# Allegro board FRDM-A-S32K356_PCBLayout.brd (continued)
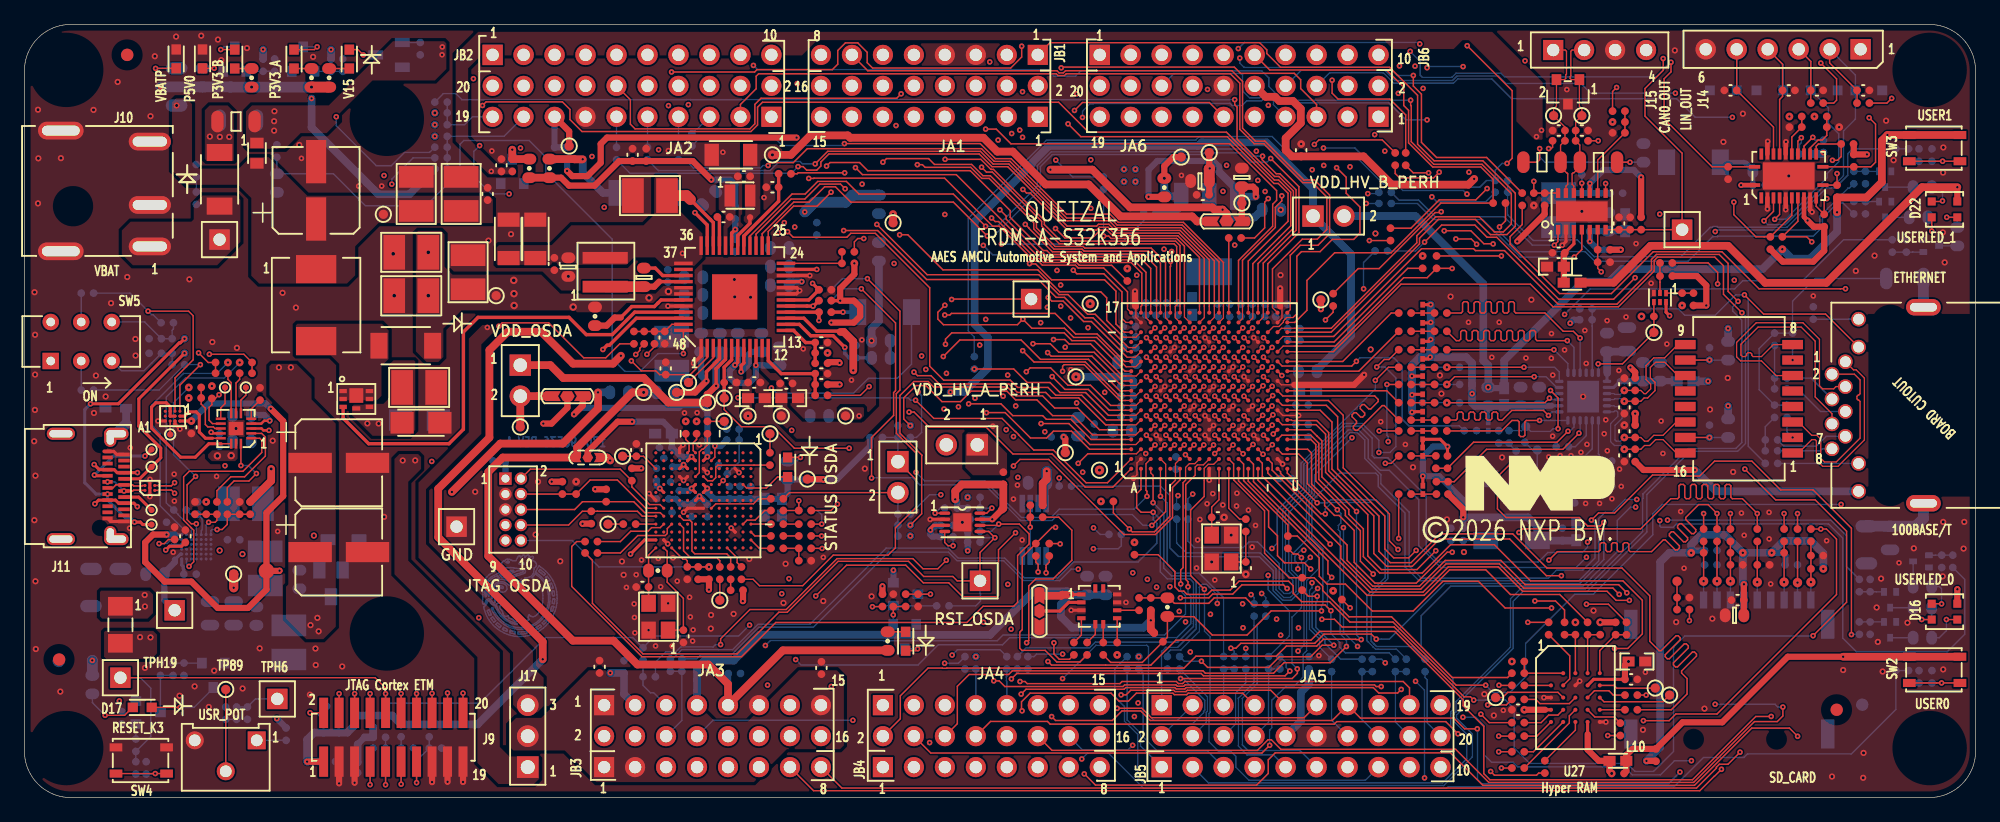
[diagram p0: board, top side]
## Routing (per net, layer and track width the routed paths; a pad name or vN(x,y) marks a point on that pad's centre or on a via; arc(x,y) is an arc through that point) (continued)
PTA26: length 19.9
  TOP w0.118: v1(96.51,11.19) 97.02,10.68 102.04,10.68 102.91,11.56 105.46,11.56 106.41,12.5 v1(107.37,12.5) ; v1(106.01,16.52) 105.28,16.52 R2.1
  BOTTOM w0.118: v1(96.51,11.19) 95.11,11.19 R431.2 ; v1(107.37,12.5) 105.89,13.97 105.89,15.99 106.01,16.1 v1(106.01,16.52)
PTA27: length 29.3
  TOP w0.118: R3.1 104.06,19.98 104.42,19.98 v1(104.71,19.69) ; v1(94.8,9.77) 103.96,9.77 104.38,10.2 104.38,10.55 v1(104.37,10.56)
  BOTTOM w0.118: JA5.2 94.24,6.03 95.75,6.03 96.69,6.97 96.69,7.08 96.78,7.17 96.78,7.99 95,9.77 v1(94.8,9.77) ; v1(104.71,19.69) 104.71,19.27 104.84,19.15 104.84,18.29 104.71,18.16 104.71,15.57 103.94,14.81 103.94,10.99 v1(104.37,10.56)
PTB0: length 66.3
  TOP w0.102: 101.58,40.29 101.58,39.4 U2.P16
  TOP w0.118: v1(101.53,52.61) 101.5,52.58 101.5,52.33 102.65,51.17 102.95,51.17 104.27,49.85 104.27,46.53 101.58,43.84 101.58,40.29 ; U1.28 59.49,46.06 62.94,49.51 64.02,49.51 65.05,50.54 67.4,50.54 68.43,49.51 76.17,49.51 v1(78.81,46.86)
  BOTTOM w0.118: v1(78.81,46.86) 79.76,46.86 83.06,50.16 83.06,51.82 84.2,52.97 96.53,52.97 96.76,53.2 100.09,53.2 100.68,52.61 100.85,52.61 100.85,52.61 101.11,52.61 101.11,52.61 v1(101.53,52.61)
PTB1: length 65
  TOP w0.102: 101.96,40.29 U2.R17
  TOP w0.118: U1.26 60.49,46.25 63.09,48.85 64.36,48.85 65.62,50.1 66.5,50.1 67.76,48.85 76.17,48.85 v1(78.95,46.07) ; v1(102.19,52.42) 104.51,50.11 104.51,46.34 101.96,43.78 101.96,40.29
  BOTTOM w0.118: v1(102.19,52.42) 101.9,52.13 100.58,52.13 99.83,52.89 96.75,52.89 96.62,52.75 84.29,52.75 83.31,51.76 83.31,49.89 79.49,46.07 v1(78.95,46.07)
PTB2: length 111.3
  TOP w0.118: v1(117.55,5.23) 116.55,6.23 107.61,6.23 107.41,6.03 84.11,6.03 83.89,6.25 79.22,6.25 JA4.8
  TOP w0.127: U2.T11 v1(103.11,34.62)
  L3_INT_1 w0.102: 104.13,34.62 v1(103.11,34.62)
  L3_INT_1 w0.127: 104.13,34.62 109.02,34.62 110.35,35.95 111.26,35.95 112.37,34.84 112.37,32.52 121.28,23.61 130.02,23.61 130.53,24.12 131.82,24.12 v1(132.12,23.83)
  BOTTOM w0.118: v1(132.12,23.83) 131.7,23.83 130.61,22.74 130.61,20.16 127.8,17.35 116.96,17.35 114.53,14.91 114.53,12.37 117.13,9.77 117.13,7.2 116.96,7.03 116.96,6.92 116.96,6.91 116.96,5.82 v1(117.55,5.23)
PTB4: length 57.3
  TOP w0.118: v1(108.4,12.4) 107.07,11.07 103.29,11.07 102.43,10.21 96.83,10.21 96.64,10.4 94.54,10.4 94.53,10.4 81,10.4 80.71,10.1 77.47,10.1 76.5,9.13 76.5,6.06 JA4.6 ; v1(107.66,23.61) 105.54,25.73 105.54,28.26 105.22,28.58 U2.U3
  BOTTOM w0.118: v1(107.66,23.61) 107.95,23.32 107.95,22.53 107.74,22.32 107.74,21.98 107.88,21.84 107.88,13.43 108.4,12.91 v1(108.4,12.4)
PTB9: length 13.5
  TOP w0.127: U2.C15 v1(92.71,38.53)
  L3_INT_1 w0.102: 92.35,40.29 92.35,38.88 v1(92.71,38.53)
  L3_INT_1 w0.127: v2(90.16,50.52) 90.16,48.66 92.35,46.47 92.35,40.29
PTB10: length 13.5
  TOP w0.127: U2.D15 v1(93.51,38.53)
  L3_INT_1 w0.102: 93.35,40.29 93.51,40.14 v1(93.51,38.53)
  L3_INT_1 w0.127: 93.35,40.29 92.58,41.07 92.58,46.72 91.1,48.19 v2(91.1,50.52)
PTB11: length 96.4
  TOP w0.102: U2.C17 92.35,40.29
  TOP w0.118: v1(65.77,51.8) 66.06,52.09 68.48,52.09 69.15,51.42 77.56,51.42 80.83,48.15 80.83,47.6 83.55,44.87 83.84,44.87 84.16,44.55 86.54,44.55 86.74,44.36 91.41,44.36 92.35,43.41 92.35,40.29
  L3_INT_1 w0.127: v1(67.94,6.34) 67.94,16.74 69.89,18.69 69.89,29.26 70.52,29.89 70.52,42.54 66.21,46.85 66.21,48.55 65.4,49.35 65.4,51.43 v1(65.77,51.8)
  BOTTOM w0.118: JA3.8 56.46,6.34 v1(67.94,6.34)
PTB12: length 27.6
  TOP w0.102: U2.H17 96.35,40.29
  TOP w0.118: 96.35,40.29 96.35,44.31 94.58,46.08 89.25,46.08 88.78,46.55 88.21,46.55 87.57,45.91 85.32,45.91 v1(84.55,46.68)
  L3_INT_1 w0.127: v1(84.55,46.68) 84.55,47.66 83.1,49.11 JA1.1
PTB13: length 30
  TOP w0.102: U2.H16 96.75,39.37 96.75,40.29
  TOP w0.118: 96.75,40.29 96.75,44.23 94.67,46.3 89.34,46.3 88.86,46.78 88.14,46.78 87.91,46.56 85.5,46.56 82.47,49.59 82.17,49.59 v1(81.88,49.88)
  L3_INT_1 w0.127: v1(81.88,49.88) 82.28,50.29 82.28,54.69 81.13,55.84 JA1.3
PTB14: length 58.2
  TOP w0.102: 97.16,40.29 U2.J17
  TOP w0.118: v1(63.44,51.76) 63.85,51.76 64.14,51.47 64.97,51.47 65.31,51.81 65.31,52.14 65.96,52.79 78.3,52.79 79.34,51.75 80.63,51.75 85.5,46.88 87.92,46.88 88.07,47.03 88.92,47.03 89.43,46.52 94.76,46.52 97.16,44.13 97.16,40.29
  BOTTOM w0.118: R405.1 49.66,51.21 62.9,51.21 v1(63.44,51.76)
PTB15: length 56.6
  TOP w0.102: 97.57,40.29 97.57,39.39 U2.J16
  TOP w0.118: v1(64.84,51.98) 65.87,53.01 78.39,53.01 79.43,51.97 80.73,51.97 85.37,47.32 85.56,47.32 88.94,47.32 89.52,46.74 94.85,46.74 97.57,44.02 97.57,40.29
  BOTTOM w0.118: R406.1 51.98,51.43 61.16,51.43 61.9,52.17 63.61,52.17 63.8,51.98 v1(64.84,51.98)
PTB16: length 53.3
  TOP w0.102: 97.96,40.29 U2.K17
  TOP w0.118: v1(60.99,51.85) 61.22,52.08 63.05,52.08 64.19,53.23 78.48,53.23 79.52,52.19 80.82,52.19 85.47,47.54 89.03,47.54 89.61,46.96 94.94,46.96 97.96,43.95 97.96,40.29
  BOTTOM w0.118: R407.1 54.19,52.32 54.86,51.65 60.38,51.65 60.57,51.85 v1(60.99,51.85)
PTB17: length 53.4
  TOP w0.102: 98.32,40.29 98.32,39.34 U2.K16
  TOP w0.118: 98.32,40.29 98.32,43.9 95.04,47.18 89.7,47.18 89.02,47.86 85.45,47.86 80.91,52.41 79.61,52.41 78.38,53.65 v1(67.24,53.65)
  BOTTOM w0.118: R409.1 55.48,54.2 61.44,54.2 62.15,53.49 67.08,53.49 v1(67.24,53.65)
PTB18: length 59
  TOP w0.118: U2.R1 101.96,26.62 107.94,20.64 107.94,19.63 110.47,17.1 114.5,17.1 116.57,19.17 120.95,19.17 122.93,17.19 130.26,17.19 v1(130.77,16.67) ; R764.1 v1(145.39,23.3)
  L3_INT_1 w0.127: v1(145.39,23.3) 145.42,23.28 145.42,19.71 144.96,19.25 144.96,16.86 143.61,15.51 131.53,15.51 130.89,16.14 130.88,16.14 130.77,16.25 v1(130.77,16.67)
PTB19: length 59.5
  TOP w0.118: R765.1 v1(137.69,23.3) ; v1(131.4,16.8) 130.73,17.47 123.06,17.47 121.07,19.45 116.51,19.45 114.4,17.35 110.56,17.35 108.46,19.45 108.46,20.72 102.31,26.86 102.31,27.42 U2.R2
  L3_INT_1 w0.127: v1(137.69,23.3) 137.69,22.16 137.82,22.03 138.42,22.03 138.55,21.91 138.55,21.65 138.42,21.53 137.82,21.53 137.69,21.4 137.69,21.15 137.82,21.02 138.42,21.02 138.55,20.89 138.55,20.64 138.42,20.51 137.82,20.51 137.69,20.38 137.69,18.85 135.93,17.09 134.84,17.09 134.72,17.22 134.72,18.87 134.59,19 134.33,19 134.21,18.87 134.21,17.22 134.08,17.09 133.83,17.09 133.7,17.22 133.7,18.87 133.57,19 133.32,19 133.19,18.87 133.19,17.22 133.06,17.09 131.69,17.09 v1(131.4,16.8)
PTB20: length 26.2
  TOP w0.118: U2.T1 103,26.73 103,26.59 106.31,23.28 106.66,23.28 v1(106.67,23.27)
  BOTTOM w0.118: R425.2 112.5,12.17 110.97,12.17 110.79,12.17 110.59,12.37 110.59,12.37 110.21,12.74 110.21,12.74 110.08,12.87 110.08,16.54 111.57,18.04 111.57,23.06 110.43,24.21 107.19,24.21 106.67,23.69 v1(106.67,23.27)
PTB21: length 26.3
  TOP w0.118: v1(106,24.18) 103.56,26.62 U2.U1
  BOTTOM w0.118: R424.2 113.82,12.39 110.88,12.39 110.68,12.59 110.43,12.83 110.43,13.17 110.44,13.18 110.44,16.59 111.79,17.95 111.79,23.48 110.84,24.43 107.1,24.43 106.85,24.18 v1(106,24.18)
PTB24: length 19.3
  TOP w0.118: U2.P7 v1(101.54,32.16) ; v1(111.09,30.08) R211.1
  L3_INT_1 w0.102: v1(101.54,32.16) 101.87,32.49 103.5,32.49 103.83,32.16 104.13,32.16
  L3_INT_1 w0.127: v1(111.09,30.08) 110.18,30.99 110.18,31.17 110.68,31.66 110.68,31.84 110.5,32.02 110.32,32.02 109.82,31.53 109.64,31.53 109.34,31.82 109.34,32.1 109.15,32.29 109.15,33.02 109.03,33.15 108.77,33.15 108.65,33.02 108.65,32.29 108.52,32.16 108.27,32.16 108.14,32.29 108.14,33.02 108.01,33.15 107.76,33.15 107.63,33.02 107.63,32.29 107.5,32.16 106.99,32.16 106.86,32.29 106.86,32.86 106.74,32.99 106.48,32.99 106.35,32.86 106.35,32.29 106.23,32.16 104.13,32.16
PTB26: length 57.8
  TOP w0.118: U2.R9 v1(102.32,33.74) ; R767.1 v1(139.89,23.3)
  L3_INT_1 w0.102: 104.13,33.74 v1(102.32,33.74)
  L3_INT_1 w0.127: 104.13,33.74 105.17,33.74 105.35,33.91 110.43,33.91 121.07,23.28 129.82,23.28 129.94,23.15 129.94,20.38 130.07,20.25 130.32,20.25 130.45,20.38 130.45,23.15 130.58,23.28 130.83,23.28 130.96,23.15 130.96,20.38 131.09,20.25 131.34,20.25 131.47,20.38 131.47,23.15 131.59,23.28 132.7,23.28 133.95,24.53 134.62,24.53 134.75,24.4 134.75,23.79 134.88,23.66 135.13,23.66 135.26,23.79 135.26,24.4 135.39,24.53 138.67,24.53 v1(139.89,23.3)
PTB27: length 49.8
  TOP w0.118: U2.P9 v1(101.56,33.78) ; R224.1 111.85,35.3 v1(110.78,34.23)
  L3_INT_1 w0.102: 104.13,34.15 101.93,34.15 101.56,33.78 v1(101.56,33.78)
  L3_INT_1 w0.127: 104.13,34.15 105.05,34.15 105.12,34.23 v1(110.78,34.23) ; v1(102.29,20.44) 102.45,20.28 102.45,15.01 102.26,14.82 102.26,14.74 101.52,14.01 101.52,13.83 102.16,13.18 102.16,12.04 103.15,11.06 v1(111.59,11.06)
  BOTTOM w0.118: R426.2 111.29,11.35 v1(111.59,11.06) ; v1(110.78,34.23) 110.78,33.52 104.68,27.43 104.68,25.46 104.15,24.93 104.09,24.93 102.73,23.57 102.73,20.88 v1(102.29,20.44)
PTB29: length 10.8
  TOP w0.118: U2.U12 108.1,35.78 112.08,39.75 R242.1
PTB30: length 137.9
  TOP w0.102: 104.13,36.58 U2.U13
  TOP w0.118: 104.13,36.58 107.34,36.58 112.88,42.11 123.49,42.11 125.34,40.26 130.7,40.26 133.64,43.19 133.64,44.05 133.92,44.33 138.61,44.33 139.32,43.62 139.32,41.28 v1(140.83,39.77)
  BOTTOM w0.118: v1(140.83,39.77) 141.13,39.48 141.13,29.05 140.49,28.41 136.59,28.41 133.04,24.86 133.04,21.79 128.16,16.91 122.88,16.91 122.07,16.11 122.07,12.25 117.71,7.89 117.71,7.05 117.43,6.76 117.43,6.52 118.73,5.22 118.73,3.34 116.38,0.98 91.95,0.98 91.29,1.65 91.29,5.19 90.2,6.27 90.2,7.47 89.41,8.26 89.41,10.56 R748.2
PTB31: length 125.4
  TOP w0.102: U2.T14 103.21,37.83 104.13,37.83
  TOP w0.118: 104.13,37.83 107.36,37.83 114.56,45.02 118.83,45.02 118.99,44.87 121.37,44.87 125.76,40.48 130.59,40.48 133.42,43.3 133.42,44.15 133.82,44.55 138.97,44.55 139.7,43.82 139.7,41.52 v1(140.52,40.7)
  BOTTOM w0.118: v1(140.52,40.7) 140.07,40.26 140.07,39.91 140.82,39.16 140.82,29.12 140.34,28.64 136.45,28.64 132.71,24.9 132.72,24.89 132.72,24.55 132.69,24.51 132.69,21.82 128,17.13 122.67,17.13 121.85,16.31 121.85,12.34 117.39,7.88 117.39,7.04 117.18,6.82 117.18,6.29 118.27,5.2 118.27,3.19 116.29,1.2 97.09,1.2 JB5.2
PTC0: length 66.9
  TOP w0.118: U2.U7 106.25,31.78 107.22,30.81 107.22,26.95 111.07,23.09 111.07,20.2 112,19.27 113.7,19.27 116.07,21.64 122.04,21.64 124.85,18.83 131,18.83 133.28,16.55 133.28,12.82 134.05,12.06 134.21,12.06 135.44,13.28 135.6,13.28 135.77,13.11 135.77,12.95 134.55,11.72 134.55,11.56 134.71,11.39 134.88,11.39 136.11,12.61 136.27,12.61 136.44,12.44 136.44,12.28 135.22,11.05 135.22,10.89 135.38,10.72 135.55,10.72 136.77,11.94 136.94,11.94 137.11,11.78 137.11,11.61 135.88,10.39 135.88,10.22 136.34,9.77 136.34,8.5 135.04,7.21 R770.1
PTC1: length 38.4
  TOP w0.118: v1(119.98,7.61) 121.52,7.61 R774.1 ; v1(114.12,20.28) 113.51,19.67 112.28,19.67 111.55,20.4 111.55,23.1 107.68,26.97 107.68,31.24 106.75,32.18 103.15,32.18 U2.T8
  L3_INT_1 w0.127: v1(114.12,20.28) 115.27,19.13 115.27,12.16 119.53,7.9 119.69,7.9 v1(119.98,7.61)
PTC2: length 64.5
  TOP w0.118: U2.T4 103.11,29.73 105.48,29.73 106.14,29.07 106.14,26.1 108.6,23.63 108.6,23.24 109.79,22.04 109.79,19.76 111.13,18.43 114.62,18.43 116.94,20.74 120.53,20.74 123.5,17.78 131.08,17.78 132.67,16.19 132.67,13.43 131.47,12.24 v1(130.39,12.24) ; v1(129.83,5.09) R713.1
  L3_INT_1 w0.127: v1(130.39,12.24) 130.39,10.75 130.26,10.62 129.16,10.62 129.03,10.49 129.03,10.24 129.16,10.11 130.26,10.11 130.39,9.99 130.39,9.73 130.26,9.61 129.16,9.61 129.03,9.48 129.03,9.22 129.16,9.1 130.26,9.1 130.39,8.97 130.39,8.72 130.26,8.59 129.16,8.59 129.03,8.46 129.03,8.21 129.16,8.08 130.26,8.08 130.39,7.95 130.39,7.7 130.26,7.57 129.16,7.57 129.03,7.45 129.03,7.19 129.16,7.07 130.26,7.07 130.39,6.94 130.39,5.66 v1(129.83,5.09)
PTC3: length 64.2
  TOP w0.118: U2.T3 103.15,28.18 104.49,28.18 105.2,27.46 105.2,25.74 106.61,24.34 106.61,23.95 107.42,23.15 107.8,23.15 109.04,21.91 109.04,19.3 110.74,17.59 114.13,17.59 116.67,20.13 v1(117.08,20.13) ; R745.2 126.29,15.38 125.55,16.13 v1(123.86,16.13)
  L3_INT_1 w0.127: v1(123.86,16.13) 122.83,15.1 122.12,15.1 121.9,15.31 121.9,15.49 124.5,18.09 124.5,18.27 124.32,18.45 124.14,18.45 121.54,15.85 121.36,15.85 121.18,16.03 121.18,16.21 123.79,18.81 123.79,18.99 123.61,19.17 123.43,19.17 120.82,16.57 120.64,16.57 120.46,16.75 120.46,16.93 123.07,19.53 123.07,19.71 122.89,19.89 122.71,19.89 122.37,19.56 122.19,19.56 121.59,20.16 121.41,20.16 121.23,19.98 121.23,19.8 121.83,19.2 121.83,19.02 121.66,18.84 121.48,18.84 120.87,19.44 120.69,19.44 120.51,19.26 120.51,19.08 121.12,18.48 121.12,18.3 120.94,18.12 120.76,18.12 120.15,18.72 119.97,18.72 119.79,18.54 119.79,18.36 120.4,17.76 120.4,17.58 120.11,17.29 119.93,17.29 v1(117.08,20.13)
PTC6: length 137.6
  TOP w0.118: R518.1 85.7,11.35 84.86,11.35 84.42,11.79 v1(84.42,12.7) ; v1(15.17,36.37) 17.99,36.37 R96.2 R94.2 ; v1(84.93,20.81) 84.9,20.84 R526.2
  TOP w0.127: U2.C12 v1(92,36.13)
  L3_INT_1 w0.127: v1(15.17,36.37) 14.87,36.66 14.87,40.79 22.87,48.79 28.6,48.79 v1(30.13,50.32) 30.42,50.02 34.41,50.02 36.17,51.79 43.68,51.79 44.48,52.59 45.28,52.59 45.39,52.7 46.43,52.7 v1(46.54,52.59) ; v1(83.33,38.96) 83.33,38.54 83.45,38.42 83.45,36.97 82.81,36.32 82.81,34.12 82.94,33.99 82.94,33.98 84.22,32.7 84.22,30.55 84.44,30.33 84.44,28.7 85.71,27.42 85.71,22.24 84.93,21.46 v1(84.93,20.81) 85.23,20.51 85.23,19.92 84.84,19.54 84.84,15.16 85.23,14.78 85.23,13.99 84.42,13.19 84.42,12.7 v1(84.42,12.7)
  L4_INT_2 w0.102: 90.3,37.07 90.81,37.07 91.75,36.13 v1(92,36.13)
  L4_INT_2 w0.127: 90.3,37.07 86.82,37.07 85.38,38.51 83.77,38.51 v1(83.33,38.96) 82.51,38.96 81.74,38.18 81.34,38.18 78.2,41.32 75.41,41.32 73.57,43.16 66.42,43.16 65.69,43.89 64.72,43.89 63.86,43.03 60.83,43.03 55.38,48.48 50.65,48.48 v1(46.54,52.59)
  BOTTOM w0.118: R403.1 31.87,52.47 30.13,50.73 v1(30.13,50.32)
PTC7: length 147.7
  TOP w0.102: U2.B12 91.12,35.34 90.34,35.34 90.3,35.37
  TOP w0.118: 90.3,35.37 87.93,37.75 86.04,37.75 85.28,38.5 82.61,38.5 v1(81.87,39.24) 81.42,38.79 75.36,38.79 74.9,39.25 74.9,39.81 v1(75.48,40.39) ; v1(14.28,36.48) 15.07,35.69 R95.2 R93.2 ; v1(84.55,22.17) 84.27,22.17 R527.2 81.82,19.72 81.82,13.77 81.62,13.57 81.62,12.25 81.79,12.08 83.7,12.08 84.65,11.13 86.56,11.13 R516.1
  L3_INT_1 w0.127: v1(29.49,51.03) v2(33.65,55.19) ; v1(29.49,51.03) 27.6,49.13 22.63,49.13 14.28,40.79 v1(14.28,36.48) ; v1(29.49,51.03) 34.22,51.03 35.74,52.54 43.56,52.54 44.16,53.14 v1(52,53.14) ; v1(75.47,47.83) 75.48,47.83 v1(75.48,40.39) ; v1(84.55,22.17) 85.4,23.02 85.4,27.02 84.21,28.22 84.21,30.24 84,30.45 84,32.6 82.71,33.89 82.71,33.89 82.58,34.03 82.58,36.42 83.12,36.96 83.12,37.99 v1(81.87,39.24)
  L4_INT_2 w0.127: v1(75.47,47.83) 74.81,47.17 70.82,47.17 69.93,46.28 68.65,46.28 67.96,45.59 61.73,45.59 60.18,47.13 57.61,49.71 55.44,49.71 v1(52,53.14)
PTC8: length 53
  TOP w0.118: U1.27 59.99,46.22 62.87,49.1 64,49.1 65.22,50.32 66.92,50.32 v1(67.3,49.94)
  TOP w0.127: U2.N15 v1(100.71,38.53)
  L4_INT_2 w0.102: 99.95,40.29 99.95,40.05 100.71,39.29 v1(100.71,38.53)
  L4_INT_2 w0.127: v1(67.3,49.94) 67.72,49.94 67.96,49.7 69.2,49.7 69.62,50.12 76.34,50.12 77.18,50.95 80.13,50.95 80.24,51.06 87.44,51.06 88.26,51.88 91.53,51.88 99.95,43.47 99.95,40.29
PTC9: length 51.5
  TOP w0.118: U1.25 60.99,46.44 63.07,48.52 65,48.52 v1(66.15,49.66)
  TOP w0.127: U2.N14 v1(100,37.73)
  L4_INT_2 w0.102: 99.72,40.29 99.72,39.73 100.31,39.14 100.31,38.13 100,37.82 v1(100,37.73)
  L4_INT_2 w0.127: 99.72,40.29 99.72,43.09 91.77,51.04 89.46,51.04 89.15,50.72 79.23,50.72 78.35,49.85 69.7,49.85 69.31,49.47 66.34,49.47 v1(66.15,49.66)
PTC10: length 69.5
  TOP w0.102: U2.T17 102.34,40.19 102.34,40.29
  TOP w0.118: 102.34,40.29 102.34,43.36 104.78,45.81 106.01,45.81 106.8,46.59 106.8,49.27 105.62,50.45 104.82,50.45 101.63,53.63 100.85,53.63 99.66,54.81 99.66,58.59 98.88,59.37 85.43,59.37 85.28,59.23 84.75,59.23 84.61,59.37 60.2,59.37 60,59.17 60,58.14 58.71,56.85 JA2.3
PTC11: length 100.8
  TOP w0.102: 104.13,38.5 103.08,38.5 U2.T15
  TOP w0.118: 104.13,38.5 107.16,38.5 114.18,45.51 114.18,46.09 115.73,47.64 119.29,47.64 120.53,46.4 121.27,46.4 121.93,47.06 121.93,49.54 119.52,51.95 115.57,51.95 113.72,53.8 113.72,56.74 113.67,56.79 v1(113.67,57.2)
  L3_INT_1 w0.127: v1(59.78,60.06) 59.78,57.32 JA2.1
  BOTTOM w0.118: v1(59.78,60.06) 60.13,59.71 83.9,59.71 84.43,59.18 86.19,59.18 86.63,59.61 101.46,59.61 102.04,59.03 102.04,58.33 103.16,57.2 v1(113.67,57.2)
PTC12: length 165.4
  TOP w0.118: v1(80.93,9.74) 81.37,10.18 94.62,10.18 94.63,10.18 96.49,10.18 96.68,9.99 103.37,9.99 v1(103.76,10.38) ; v1(116.42,46.5) 118.61,46.5 119.67,45.43 120.42,45.43 v1(120.43,45.42)
  TOP w0.127: U2.P11 v1(101.51,35.33)
  L3_INT_1 w0.102: 104.13,35.93 102.36,35.93 101.76,35.33 v1(101.51,35.33)
  L3_INT_1 w0.127: v1(103.76,10.38) 104.24,9.9 112.73,9.9 113.77,8.86 116.24,8.86 117.96,7.14 v1(117.96,6.59) ; v1(136.69,3.03) 136.7,3.04 138.3,3.04 138.83,3.57 138.83,3.58 139.61,4.36 139.61,10.12 147.98,18.5 147.98,19.4 147.54,19.84 146.99,19.84 146.28,20.54 146.28,23.53 142.3,27.52 142.3,41.58 140.13,43.74 128.3,43.74 127.93,43.37 121.5,43.37 120.43,44.44 v1(120.43,45.42) ; 104.13,35.93 106.9,35.93 116.42,45.45 v1(116.42,46.5) ; v1(80.93,9.74) 79.53,8.34 79.53,6.57 80.56,5.54 JA4.10
  BOTTOM w0.118: v1(103.76,10.38) 103.47,10.67 103.47,11.05 R433.2 ; v1(117.96,6.59) 119.02,6.59 119.7,5.91 119.7,3.5 120.3,2.9 122.06,2.9 122.45,2.52 131.2,2.52 131.85,1.87 134.14,1.87 135.3,3.03 v1(136.69,3.03)
PTC13: length 158.3
  TOP w0.118: JA4.12 84.26,3.88 101.11,3.88 101.97,4.74 102.25,4.74 103.03,3.96 117.36,3.96 120.08,1.25 136.87,1.25 141.86,6.24 143.73,6.24 144.19,6.7 v1(144.19,7.43) ; v1(117.38,45.82) 118.64,45.82 v1(119.08,45.39)
  TOP w0.127: U2.R11 v1(102.31,35.33)
  L3_INT_1 w0.102: 104.13,35.33 v1(102.31,35.33)
  L3_INT_1 w0.127: v1(119.08,45.39) 119.08,45.19 121.15,43.11 128.21,43.11 129.55,41.77 134.4,41.77 135.75,43.11 140.25,43.11 141.96,41.41 141.96,27.48 146.03,23.41 146.03,16.98 139.3,10.25 139.3,8.32 v1(138.64,7.66) ; 104.13,35.33 107.3,35.33 117.38,45.4 v1(117.38,45.82)
  BOTTOM w0.118: v1(138.64,7.66) 143.55,7.66 143.78,7.43 v1(144.19,7.43)
PTC14: length 19.3
  TOP w0.118: U2.T9 103.19,32.94 110.72,32.94 111.01,32.66 111.01,32.49 110.4,31.88 110.23,31.88 109.87,32.24 109.71,32.24 109.54,32.08 109.54,31.91 109.9,31.55 109.9,31.38 109.73,31.21 109.56,31.21 109.2,31.57 109.04,31.57 108.87,31.41 108.87,31.24 109.23,30.88 109.23,30.71 108.97,30.46 108.97,30.29 109.14,30.12 109.31,30.12 111.34,32.15 111.51,32.15 R210.1
PTC15: length 9.5
  TOP w0.118: R190.1 111.71,33.38 U2.U9
PTC16: length 17.8
  TOP w0.118: U2.P6 v1(101.53,31.36) ; R227.1 v1(111.72,33.89)
  L3_INT_1 w0.102: v1(101.53,31.36) 101.92,30.97 104.07,30.97 104.13,30.92
  L3_INT_1 w0.127: v1(111.83,29.2) 110.51,29.2 108.36,31.35 105.22,31.35 104.79,30.92 104.13,30.92
  BOTTOM w0.118: v1(111.72,33.89) 111.72,29.72 111.83,29.62 v1(111.83,29.2)
PTC17: length 65
  TOP w0.118: R773.1 v1(120.89,5.04) ; U2.R6 v1(102.38,31.4)
  L3_INT_1 w0.102: v1(102.38,31.4) 103.81,31.4 104.13,31.71
  L3_INT_1 w0.127: 104.13,31.71 104.22,31.8 108.27,31.8 110.41,29.66 113.21,29.66 120.27,22.59 123.22,22.59 134.5,11.31 134.5,6.5 132.11,4.11 127.47,4.11 127.34,4.23 127.34,4.81 127.22,4.93 126.96,4.93 126.84,4.81 126.84,4.23 126.71,4.11 126.45,4.11 126.33,4.23 126.33,4.81 126.2,4.93 125.95,4.93 125.82,4.81 125.82,4.23 125.69,4.11 124.22,4.11 123.28,5.04 v1(120.89,5.04)
PTC18: length 10.5
  TOP w0.118: U2.U11 109.42,34.98 R241.1
PTC19: length 20.8
  TOP w0.118: v1(109.22,35.78) 108.84,35.4 103.13,35.4 U2.T12
  BOTTOM w0.118: v1(109.22,35.78) 109.52,36.08 112.28,36.08 112.97,35.39 112.97,31.05 113.52,30.49 117.66,30.49 R257.1
PTC20: length 55.4
  TOP w0.102: U2.T13 103.22,37.04 104.13,37.04
  TOP w0.118: v1(117.07,43.4) 117.06,43.41 R75.2 115.03,42.65 113.1,42.65 107.49,37.04 104.13,37.04
  L5_PWR_1 w0.127: v1(117.07,43.4) 116.64,43.4 116.59,43.35 110.49,43.35 107.73,40.58 107.73,33.2 106.49,31.96 106.49,26.81 101.18,21.5 101.18,18.29 100.58,17.69 v1(100.58,16.65)
  BOTTOM w0.118: v1(100.58,16.65) 100.83,16.4 R751.2
PTC21: length 43.4
  TOP w0.127: U2.R13 v1(102.31,36.93)
  L4_INT_2 w0.102: 104.13,38.63 102.42,36.93 v1(102.31,36.93)
  L4_INT_2 w0.127: v1(109.81,41.73) 109.81,41.74 106.38,41.74 104.93,40.3 104.93,39.44 104.13,38.63
  L5_PWR_1 w0.127: v1(101.45,16.74) 101.45,21.42 106.85,26.81 106.85,31.78 108.12,33.05 108.12,40.05 v1(109.81,41.73)
  BOTTOM w0.118: v1(109.81,41.73) 109.81,43.9 R73.2 ; R750.2 101.79,16.41 v1(101.45,16.74)
PTC22: length 73.5
  TOP w0.102: 104.13,38.18 U2.U15
  TOP w0.118: 104.13,38.18 107.15,38.18 114.4,45.42 114.4,45.88 115.94,47.42 118.97,47.42 120.22,46.18 121.56,46.18 122.25,46.87 122.25,49.57 119.59,52.24 115.59,52.24 114.24,53.59 114.24,57.61 111.94,59.9 103,59.9 101.88,61.03 101.88,61.34 101.29,61.92 84.1,61.92 JB1.1
PTC23: length 13.6
  TOP w0.102: 104.13,37.38 U2.U14
  TOP w0.118: R50.2 113.43,43.41 107.39,37.38 104.13,37.38
PTC24: length 121.9
  TOP w0.102: U2.R15 102.42,38.64 102.87,38.64 103.24,39.01 103.24,39.11 103.51,39.38 104.03,39.38 104.13,39.48
  TOP w0.118: v1(107.6,51.67) 108.38,50.89 108.38,49.57 109.51,48.45 109.51,46.3 109,45.79 107.25,45.79 106.24,44.78 104.71,44.78 104.34,44.41 104.34,39.69 104.13,39.48
  L3_INT_1 w0.127: JA3.4 50.52,5.04 51.67,6.2 51.67,9 52.24,9.56 55.93,9.56 60.76,14.4 60.76,31.14 62,32.37 62,35.6 61.99,35.61 61.99,40.74 61.85,40.87 61.85,45.07 63.17,46.38 v1(63.17,46.8) ; v1(98.57,51.86) 98.15,51.86 93.93,47.64 93.93,45.47 v1(93.45,44.98)
  L4_INT_2 w0.127: v1(98.57,51.86) 98.99,51.86 99.04,51.81 104.86,51.81 105.27,52.22 105.67,52.22 106.08,51.81 106.08,51.57 106.19,51.46 106.32,51.33 107.26,51.33 v1(107.6,51.67) ; v1(93.45,44.98) 93.45,45.77 90.42,48.8 79.44,48.8 79.11,48.48 70.32,48.48 68.77,46.93 65.88,46.93 65.75,46.8 v1(63.17,46.8)
PTC25: length 109.5
  TOP w0.127: U2.R14 v1(101.6,37.73)
  L3_INT_1 w0.127: JA3.2 47.58,5.04 48.53,6 48.53,8.77 50,10.24 56.28,10.24 60.47,14.43 60.47,31.38 61.7,32.61 61.7,40.7 61.62,40.78 61.62,45.73 61.82,45.92 v1(61.82,46.34) ; v1(87.44,52.32) 87.45,52.31 v1(87.45,48.33)
  L4_INT_2 w0.102: 101.06,40.29 102.09,39.26 102.09,38.21 v1(101.6,37.73)
  L4_INT_2 w0.127: 101.06,40.29 100.24,41.12 100.24,43.63 98.59,45.27 98.59,45.85 98.92,46.18 98.92,50.3 98.46,50.76 96.78,50.76 95.2,52.34 88.07,52.34 88.05,52.32 v1(87.44,52.32) ; v1(87.45,48.33) 86.81,47.7 79.89,47.7 79.34,48.25 75.3,48.25 74.57,47.52 69.72,47.52 68.72,46.52 68.49,46.52 67.82,45.86 62.4,45.86 61.91,46.34 v1(61.82,46.34)
PTC28: length 87
  TOP w0.102: 101.15,40.29 U2.P17
  TOP w0.118: 101.15,40.29 101.15,43.8 104.05,46.7 104.05,49.76 102.86,50.95 102.51,50.95 99.44,54.02 99.44,56.64 99.24,56.84 v1(99.24,57.25)
  BOTTOM w0.118: R398.1 34.35,57.74 35.38,57.74 35.87,57.25 54.27,57.25 54.27,57.25 54.62,57.25 54.62,57.25 v1(99.24,57.25)
PTC29: length 89.9
  TOP w0.102: 100.73,40.29 100.73,39.35 U2.N16
  TOP w0.118: v1(37.56,56.77) 37.86,57.07 44.12,57.07 44.74,56.45 44.74,55.62 45.72,54.64 59.58,54.64 60.12,55.17 60.12,56.63 60.52,57.04 84.81,57.04 87.26,54.58 98.56,54.58 102.49,50.66 102.84,50.66 103.83,49.67 103.83,46.91 102.87,45.94 100.73,43.8 100.73,40.29
  L3_INT_1 w0.127: v2(33.65,54.24) 35.03,54.24 v1(37.56,56.77)
PTC30: length 103.5
  TOP w0.102: U2.N17 100.35,40.29
  TOP w0.118: 100.35,40.29 100.35,44.01 103.62,47.27 103.62,49.57 102.81,50.38 102.46,50.38 98.62,54.21 86.63,54.21 v1(85.58,55.27) ; v1(64.89,16.54) 67.42,19.06 72.27,19.06 73.72,17.62 75.8,17.62 76.93,16.49 79.76,16.49 79.87,16.6 79.87,20.33 v1(81.27,21.73)
  L3_INT_1 w0.127: v1(81.27,21.73) 81.27,23.61 81.57,23.91 81.57,24.78 82.32,25.53 82.32,29.31 82.16,29.47 82.16,33.14 81.8,33.51 81.8,33.51 81.28,34.03 81.28,41.42 86.07,46.22 86.07,54.77 v1(85.58,55.27) ; v1(64.89,16.54) 64.13,15.78 64.13,12.18 64.29,12.02 64.29,6.56 JA3.14
PTC31: length 235.5
  TOP w0.118: v1(121.58,52.02) 121.99,52.44 121.99,57.99 v1(118.31,61.67)
  TOP w0.127: U2.L14 v1(98.4,37.73)
  L3_INT_1 w0.102: v1(98.4,37.73) 98.4,37.98 98.69,38.27 98.69,38.69 98.68,38.69 98.68,40.29
  L3_INT_1 w0.127: v1(106.52,53.29) 106.01,52.77 106.01,51.79 106.21,51.6 106.21,50.11 98.68,42.58 98.68,40.29 ; v1(118.31,61.67) 118.5,61.87 123.77,61.87 124.75,62.85 151.13,62.85 152.23,61.76 152.23,59.28 153.64,57.87 153.64,56.57 155.64,54.57 155.64,45.94 147.49,37.79 147.49,26.81 151.11,23.19 151.11,5.85 145.87,0.62 92.82,0.62 92.35,1.09 69.26,1.09 JA3.16
  BOTTOM w0.118: v1(106.52,53.29) 109.1,53.29 111.83,50.56 112.75,50.56 113.23,50.08 119.35,50.08 119.89,50.62 R76.2 120.61,51.47 121.16,52.02 v1(121.58,52.02)
PTD0: length 43.8
  TOP w0.127: U2.F3 v1(95.11,28.93)
  L3_INT_1 w0.102: 94.27,26.04 94.27,28.1 94.51,28.34 94.55,28.34 94.89,28.69 94.89,28.71 v1(95.11,28.93)
  L3_INT_1 w0.127: v1(91.32,7.77) 91.32,8.19 91.56,8.42 91.56,9.59 92.97,11.01 92.97,15.04 92.14,15.87 92.14,17.26 92.79,17.91 92.79,22.3 93.85,23.36 93.85,25.38 94.27,25.8 94.27,26.04
  L4_INT_2 w0.127: v1(91.32,7.77) 90.9,7.77 89.44,6.31 73.69,6.31 72.94,7.06 JA4.3
PTD1: length 47.2
  TOP w0.127: U2.E3 v1(94.31,28.93)
  L3_INT_1 w0.102: v1(94.31,28.93) 94.31,28.82 92.95,27.45 92.86,27.45 91.87,26.47 91.87,26.04
  L3_INT_1 w0.127: 91.87,26.04 91.87,25.54 91.59,25.25 91.59,21.43 91.81,21.21 91.81,18.59 91.53,18.31 91.53,17.39 91.76,17.17 91.76,13.89 92.74,12.91 92.74,11.49 91.32,10.06 91.32,8.53 90.8,8.01 90.8,7.29 91.02,7.07 v1(91.02,6.65)
  L4_INT_2 w0.127: JA4.1 71.12,6.86 71.12,6.69 71.84,5.97 90.34,5.97 v1(91.02,6.65)
PTD2: length 29.7
  TOP w0.102: U2.F16 94.37,39.36 94.37,40.29